# Altium PCB Pin28_PCB.PcbDoc (part 2 of 2)
Units mm, origin at the board's own origin, x right, y up, seen from the top; angles counter-clockwise.
Board outline 68.58 x 53.34 mm, 2 copper layers (L1, L2), stack 1.671 mm thick; 101 components, 68 nets, 313 pads, 75 vias.
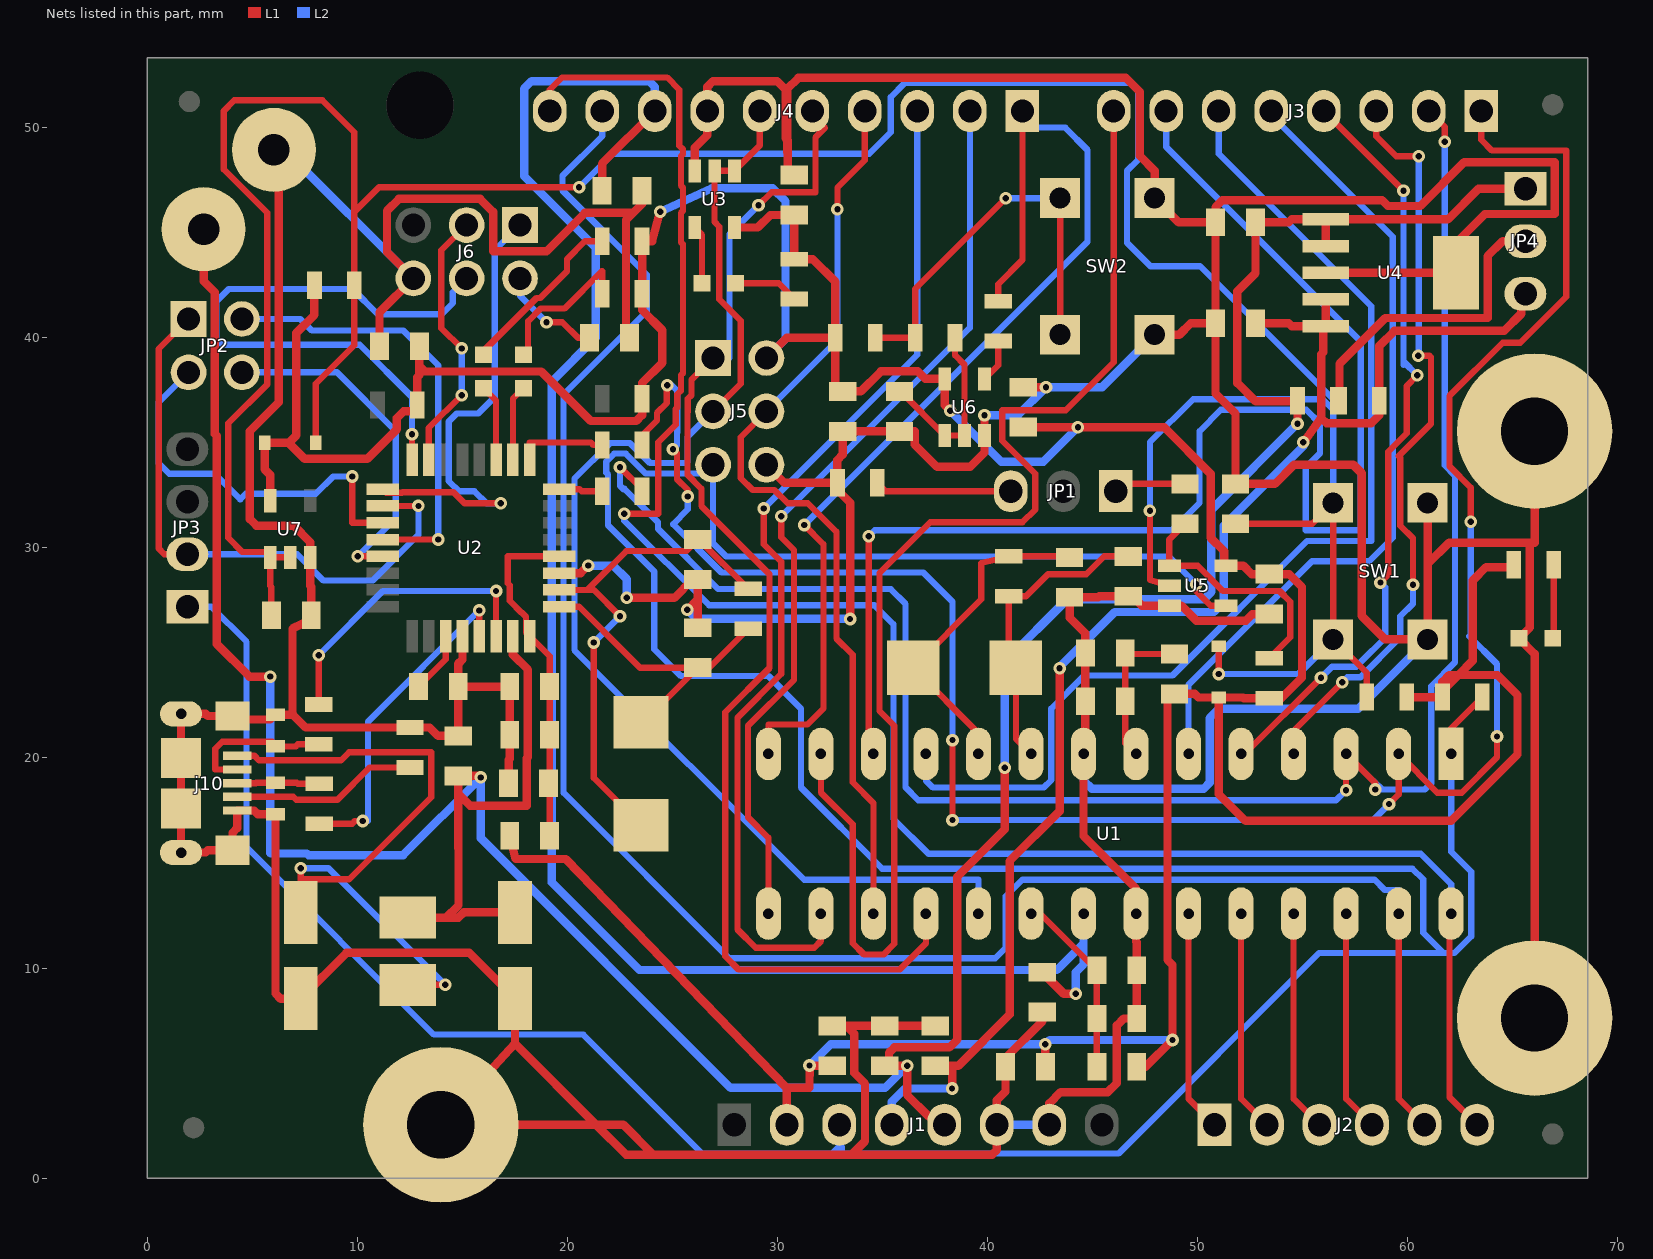
[diagram p2: the nets of this part, all layers, seen from the top]

## Via types
v1: diameter 0.6, hole 0.3, L1 to L2, 72 vias
v2: diameter 0.6, hole 0.3, L1 to L2, tented both sides, 3 vias

## Nets (pads, with @x,y where several pads share a name; then routed paths per layer and width w, separated by ;. In a path a pad name is that pad's centre, name@x,y a point inside that pad or via, vN(x,y) a via of type N, cw(c..) or ccw(c..) an arc to the next point about the centre after c; other vN are vias at no path point) (continued)
"328P AUTORESETn": C11.2 R1.1 U5.1 | length 11.9
  L1 w0.3: C11.2@49.4,31.15 48.65,30.4 U5.1@48.65,29.15 50.001,29.15 51.201,27.95 53.895,27.95 54.4,27.445 54.4,25.75 R1.1@53.4,24.75
"328P BUF RESETn": C10.2 C31.2 D1.2 D6.2 R3.2 R19.2 SW1.3 SW1.4 U5.2 U7.1 U7.2 | length 156.9
  L1 w0.3: C31.2@5.9,26.8 5.9,28.143 5.85,28.193 U7.1@5.85,29.55 ; U7.2@6.8,29.55 U7.1@5.85,29.55 ; D6.2@8.019,35 8.019,37.821 9.85,39.651 R19.2@9.85,42.5 9.85,45.994 ; v1(20.551,47.17) 11.026,47.17 9.85,45.994 ; v1(47.727,31.775) 47.727,28.479 U5.2@48.65,28.2 ; v1(51,24) D1.2@51,25.319 ; C10.2@51.8,31.15 55.45,31.15 SW1.3@56.45,32.15 SW1.4@56.45,25.65 58.05,24.05 R3.2@58.05,22.9 ; U7.1@5.85,29.55 5.85,29.808 4.522,29.808 3.85,30.48 3.85,35.93 5.7,37.78 5.7,45.952 3.632,48.019 3.632,50.8 4.14,51.308 8.331,51.308 9.85,49.789 9.85,45.994
  L2 w0.3: v1(20.551,47.17) 22.149,48.768 34.366,48.768 35.382,49.784 35.382,51.464 36.068,52.15 46.834,52.15 47.168,51.816 47.168,48.489 46.634,47.955 46.634,44.526 47.752,43.409 50.114,43.409 56.45,37.073 56.45,36.576 ; v1(47.727,31.775) 47.727,35.027 49.784,37.084 55.942,37.084 56.45,36.576 ; v1(51,24) 54.8,24 SW1.4@56.45,25.65 ; SW1.3@56.45,32.15 56.45,36.576
"328P RESETn": J1.3 J5.5 JP3.1 R13.1 U1.1 U5.4 | length 189.2
  L1 w0.3: v1(49.936,28.27) 49.936,27.94 50.626,27.25 U5.4@51.35,27.25 ; U1.1@62.065,20.193 62.065,21.415 R13.1@63.55,22.9
  L2 w0.3: JP3.1@1.9,27.2 3.048,27.2 4.721,25.527 4.721,15.751 13.64,6.833 20.752,6.833 26.416,1.168 32.584,1.168 32.94,1.524 J1.3@32.94,2.54 33.092,1.168 46.228,1.168 55.779,10.719 61.696,10.719 ; v1(49.936,28.27) 48.616,29.591 27.55,29.591 26.93,30.211 J5.5@26.93,33.96 26.511,33.541 23.72,33.541 22.769,34.491 22.231,34.491 21.85,34.111 21.85,33.572 21.925,33.497 21.925,31.085 24.13,28.88 24.13,25.171 25.4,23.901 29.566,23.901 31.115,22.352 31.115,18.593 34.976,14.732 60.223,14.732 60.731,14.224 60.731,11.684 61.696,10.719 ; U1.1@62.065,20.193 62.065,15.532 63.017,14.58 63.017,11.506 62.23,10.719 61.696,10.719
+3V3: C18.2 C25.2 J1.4 JP4.3 R15.2 U4.4 U4.5 | length 71.1
  L1 w0.4: C18.2@37.5,5.35 38.307,5.35 ; v1(38.307,4.267) 38.307,5.35 ; v1(43.425,24.275) 43.425,17.466 41.046,15.088 41.046,7.788 38.608,5.35 38.307,5.35 ; C25.2@52.75,40.7 54.331,40.7 54.471,40.56 U4.5@55.982,40.56 ; v1(55.032,35.027) 55.88,36.195 ; U4.4@56.1,41.83 U4.5@56.1,40.56 U4.5@55.982,40.56 ; JP4.3@65.6,42.1 65.405,42.1 65.405,41.148 64.592,40.335 59.361,40.335 58.65,39.624 R15.2@58.65,37 58.65,36.322 58.269,35.941 56.134,35.941 55.88,36.195 ; 55.88,36.195 55.88,39.218 55.982,39.319 U4.5@55.982,40.56
  L2 w0.4: J1.4@35.44,2.54 35.44,3.639 36.068,4.267 v1(38.307,4.267) ; v1(43.425,24.275) 43.425,24.324 46.05,26.949 50.775,26.949 51.248,27.422 51.248,31.064 55.032,34.849 v1(55.032,35.027)
+5/3V3: JP4.2 R14.2 R15.1 | length 14.9
  L1 w0.4: R14.2@56.65,37 R15.1@56.75,37 56.75,38.767 58.928,40.945 63.805,40.945 63.805,43.889 64.516,44.6 JP4.2@65.6,44.6
+5V: C3.1 C15.2 C16.2 C24.2 J1.5 J27.1 JP4.1 L1.1 R14.1 U2.31 U4.1 U4.2 | length 173
  L1 w0.4: J27.1@2.675,45.175 2.675,42.699 3.21,42.164 3.21,35.423 3.3,35.333 3.3,25.427 4.852,23.875 v1(5.85,23.875) ; L1.1@12.4,12.4 14.224,12.4 ; v1(15.875,19.075) 15.8,19.15 C15.2@14.8,19.15 14.8,18.288 ; U2.31@17.4,25.8 17.4,24.916 18.11,24.206 18.11,20.041 18.059,19.99 18.059,17.729 15.359,17.729 14.8,18.288 ; C3.1@17.5,12.65 15.058,12.65 14.808,12.4 14.224,12.4 ; C16.2@35.1,5.35 C16.2@35.306,5.35 ; J1.5@37.94,2.54 37.94,2.946 37.186,2.946 36.17,3.962 v1(36.17,5.35) C16.2@35.306,5.35 ; v1(40.818,19.533) 40.818,16.612 38.557,14.351 38.557,6.604 38.176,6.223 35.56,6.223 35.306,5.969 C16.2@35.306,5.35 ; v1(54.75,35.916) R14.1@54.75,36.982 ; R14.1@54.75,37 R14.1@54.75,36.982 ; U4.2@56.1,44.37 U4.1@56.1,45.64 ; JP4.1@65.6,47.1 63.367,47.1 61.907,45.64 U4.1@56.1,45.64 ; 14.224,12.4 14.808,12.984 14.8,18.288 ; R14.1@54.75,36.982 52.756,36.982 51.892,37.846 51.892,42.221 52.75,43.078 C24.2@52.75,45.5 54.331,45.5 54.471,45.64 U4.1@56.1,45.64
  L2 w0.4: v1(5.85,23.875) 5.85,15.475 5.873,15.452 7.59,15.452 7.667,15.375 12.175,15.375 v1(15.875,19.075) 15.875,16.18 27.762,4.293 35.112,4.293 v1(36.17,5.35) ; v1(40.818,19.533) 40.818,24.587 43.79,27.559 50.292,27.559 50.648,27.915 50.648,31.813 v1(54.75,35.916)
+5V/3V3: C8.2 C17.2 C19.2 C20.2 C29.2 C30.2 C33.2 D1.1 D6.1 FB1.1 FB2.1 FB3.1 J1.2 J5.2 R1.2 R2.2 R3.1 R5.2 R6.2 R7.1 R12.2 R13.2 R19.1 R20.2 R21.1 U3.5 U5.5 U6.5 U7.5 | length 220.9
  L1 w0.4: U7.5@5.85,32.246 5.85,33.477 5.581,33.746 D6.1@5.581,35 6.731,35 ; R19.1@7.95,42.5 7.95,41.097 7.087,40.234 7.087,35.356 6.731,35 ; C30.2@12.95,39.6 12.95,38.658 ; FB1.1@17.25,16.3 17.526,15.189 19.914,15.189 30.44,4.294 ; v1(24.409,45.999) 24.026,44.6 R5.2@23.55,44.6 R6.2@23.55,42.1 23.55,41.326 24.511,40.365 24.511,38.811 23.55,37.85 R7.1@23.55,37.1 23.55,36.322 23.271,36.043 21.107,36.043 18.75,38.4 13.208,38.4 12.95,38.658 ; U3.5@27.95,45.254 29.058,45.254 29.654,45.85 C20.2@30.8,45.85 R12.2@30.8,43.75 31.672,43.75 32.75,42.672 R21.1@32.75,40 ; J5.2@29.47,39.04 30.43,40 R21.1@32.75,40 ; J1.2@30.44,2.54 30.44,4.294 ; v1(31.521,5.359) v1@31.531,5.35 ; C17.2@32.6,5.35 v1@31.531,5.35 ; v1(38.227,36.525) 37.95,36.802 U6.5@37.95,38.046 37.036,38.046 36.678,38.405 34.915,38.405 33.96,37.45 C33.2@33.1,37.45 32.75,37.45 R21.1@32.75,40 ; C29.2@41.7,35.75 v1(44.298,35.75) 48.4,35.75 50.622,33.528 50.622,30.48 51.257,29.845 51.257,29.15 U5.5@51.346,29.15 52.172,29.15 52.572,28.75 C8.2@53.4,28.75 54.356,28.75 54.966,28.14 54.966,23.825 53.99,22.85 R1.2@53.4,22.85 52.202,22.85 52.172,22.881 D1.1@51,22.881 ; v1(42.748,6.375) 42.75,6.374 C19.2@42.75,5.3 ; FB3.1@47.1,5.3 47.525,5.3 v1(48.8,6.575) 48.8,10.153 48.565,10.389 48.565,23.05 FB2.1@48.9,23.05 49.86,23.05 50.029,22.881 D1.1@51,22.881 ; R3.1@59.95,22.9 R13.2@61.65,22.9 R13.2@61.65,23.19 ; R2.2@65.05,29.2 65.05,29.083 63.729,29.083 63.094,28.448 63.094,24.634 62.412,23.952 ; 6.731,35 7.492,34.239 10.465,34.239 11.876,35.65 11.876,36.184 12.192,36.5 12.85,36.5 R20.2@12.85,36.8 12.85,38.125 12.95,38.225 12.95,38.658 ; 30.44,4.294 31.521,4.294 v1@31.531,5.35 ; D1.1@51,22.881 51,18.288 52.284,17.004 62.063,17.004 65.225,20.165 65.225,22.999 64.272,23.952 62.412,23.952 ; R13.2@61.65,23.19 61.65,23.626 61.976,23.952 62.412,23.952 ; R13.2@61.65,23.19 62.412,23.952
  L2 w0.4: v1(24.409,45.999) 26.873,47.117 29.769,47.117 30.378,46.507 30.378,39.948 J5.2@29.47,39.04 ; v1(31.521,5.359) 32.537,6.375 v1(42.748,6.375) 42.948,6.575 v1(48.8,6.575) ; v1(38.227,36.525) 40.64,34.112 42.66,34.112 v1(44.298,35.75)
+AREF: C21.2 C28.2 J4.8 U1.21 | length 86.1
  L1 w0.4: C21.2@21.65,47 21.65,48.294 J4.8@24.156,50.8 ; C28.2@42.6,9.8 43.625,8.775 v1(44.2,8.775)
  L2 w0.4: J4.8@24.156,50.8 24.156,51.942 23.876,52.222 18.288,52.222 17.932,51.867 17.932,47.701 21.336,44.298 21.336,40.005 19.253,37.922 19.253,14.072 23.419,9.906 43.295,9.906 44.565,11.176 ; v1(44.2,8.775) 44.2,9.804 44.565,10.169 44.565,11.176 ; U1.21@44.565,12.593 44.565,11.176
"CON USB N": j10.2 R9.1 Z2.2 | length 7.4
  L1 w0.3: j10.2@4.275,19.45 3.226,19.45 3.226,20.447 3.556,20.777 5.944,20.777 5.944,20.55 Z2.2@6.1,20.55 7.061,20.55 7.161,20.65 R9.1@8.15,20.65
"CON USB P": j10.3 R11.1 Z1.2 | length 3.9
  L1 w0.3: j10.3@4.275,18.8 5.156,18.8 5.181,18.825 Z1.2@6.1,18.825 7.112,18.825 7.162,18.775 R11.1@8.175,18.775
GND: C1.1 C2.1 C3.2 C4.2 C5.1 C6.1 C7.1 C8.1 C9.1 C10.1 C12.1 C13.1 C14.1 C15.1 C16.1 C17.1 C18.1 C19.1 C20.1 C21.1 C22.1 C23.1 C24.1 C25.1 C26.1 C27.1 C28.1 C29.1 C30.1 C31.1 C32.1 C33.1 D2.1 J1.6 J1.7 J4.7 J5.6 J6.6 j10.5 j10.6 j10.7 j10.8 j10.9 j10.10 j10.11 J29.1 MH1.1 MH2.1 MH3.1 R8.1 R10.2 SW1.1 SW1.2 SW2.1 SW2.2 U1.8 U1.22 U2.3 U2.28 U3.3 U4.3 U4.6 U5.3 U6.3 U7.3 Z1.1 Z2.1 | length 459.4
  L1 w0.4: J29.1@6.025,48.95 6.25,48.725 6.25,36.933 4.877,35.56 4.877,31.369 5.188,31.058 6.966,31.058 7.75,30.274 U7.3@7.75,29.55 7.75,28.193 7.8,28.143 C31.1@7.8,26.8 7.8,26.594 6.909,26.162 6.909,22.05 ; Z1.1@6.1,17.325 Z1.1@6.096,17.325 ; C30.1@11.05,39.6 11.05,41.22 J6.6@12.66,42.83 11.405,44.085 11.405,46.05 11.974,46.62 15.839,46.62 16.459,45.999 16.459,44.12 18.999,44.12 20.828,45.949 23.118,45.949 ; U2.28@15,25.8 15,24.686 14.8,24.486 C5.1@14.8,23.4 ; C12.1@17.2,18.8 17.2,19.914 17.25,19.964 C13.1@17.25,21.1 C14.1@17.25,23.4 C5.1@14.8,23.4 ; U2.3@19.6,28.8 20.621,28.8 v1(20.98,29.159) ; v1(22.825,27.625) 25.084,27.625 25.959,28.5 C1.1@26.2,28.5 26.2,27.546 ; C9.1@22.936,39.6 22.936,39.878 22.784,40.03 22.784,45.614 23.118,45.949 ; C21.1@23.55,47 23.55,46.38 23.118,45.949 ; v1(25.705,27.051) 26.2,27.546 ; U3.3@26.05,47.95 26.05,49.047 26.656,49.653 J4.7@26.656,50.8 26.656,51.954 26.924,52.222 29.972,52.222 30.378,51.816 30.378,49.505 30.455,49.428 ; C2.1@26.2,26.2 26.2,27.546 ; J5.6@29.47,33.96 30.33,33.1 R8.1@32.85,33.1 ; C20.1@30.8,47.75 30.48,47.75 30.48,48.819 ; C17.1@32.6,7.25 33.274,7.25 ; v1(33.452,26.619) 33.452,32.156 32.85,32.758 R8.1@32.85,33.1 ; C18.1@37.5,7.25 C16.1@35.1,7.25 33.274,7.25 ; v1(39.853,36.322) 39.85,36.319 U6.3@39.85,35.35 39.85,34.544 39.164,33.858 37.592,33.858 36.525,34.925 36.525,35.55 C32.1@35.8,35.55 C33.1@33.1,35.55 33.1,34.438 32.85,34.188 R8.1@32.85,33.1 ; C29.1@41.7,37.65 v1(42.777,37.65) ; C28.1@42.6,7.9 42.6,7.465 40.85,5.715 C19.1@40.85,5.3 40.85,4.118 40.44,3.708 J1.6@40.44,2.54 40.44,1.346 40.211,1.118 33.528,1.118 ; J1.7@42.94,2.54 42.94,3.556 43.473,4.089 45.72,4.089 46.152,4.521 46.152,7.27 46.482,7.6 C26.1@47.1,7.6 C27.1@47.1,9.9 47.1,11.227 47.065,11.262 47.065,13.785 44.565,16.285 U1.8@44.565,20.193 44.65,20.278 C23.1@44.65,22.7 C22.1@44.65,25 44.65,25.933 43.9,26.683 C6.1@43.9,27.65 45.263,27.65 45.313,27.7 C7.1@46.7,27.7 46.888,27.7 47.338,27.25 U5.3@48.65,27.25 49.226,27.25 49.933,26.543 52.299,26.543 52.606,26.85 C8.1@53.4,26.85 ; SW2.2@47.95,40.15 49.124,40.15 49.674,40.7 C25.1@50.85,40.7 ; U4.3@56.1,43.1 U4.6@62.3,43.1 62.3,44.526 63.672,45.898 67,45.898 67,48.362 62.685,48.362 60.602,46.279 59.055,46.279 58.776,46.558 51.18,46.558 50.85,46.228 C24.1@50.85,45.5 ; SW1.1@60.95,32.15 60.95,29.225 ; MH2.1@66.04,7.62 66.04,24.96 D2.1@65.3,25.7 65.811,26.211 65.811,30.251 ; MH3.1@66.04,35.56 66.04,30.251 65.811,30.251 ; Z1.1@6.096,17.325 6.096,8.788 6.35,8.534 7.3,8.534 C4.2@7.3,8.55 9.469,10.719 15.331,10.719 C3.2@17.5,8.55 17.5,6.401 ; Z1.1@6.096,17.325 5.255,17.325 5.08,17.5 j10.5@4.275,17.5 4.275,16.659 4.05,16.434 j10.7@4.05,15.6 2.869,15.6 2.769,15.5 j10.9@1.6,15.5 j10.11@1.6,17.6 j10.10@1.6,20 j10.8@1.6,22.1 2.769,22.1 2.869,22 j10.6@4.05,22 4.05,21.834 5.85,21.834 5.85,22.05 Z2.1@6.1,22.05 6.909,22.05 ; 6.909,22.05 6.934,22.05 7.534,21.45 R10.2@12.5,21.45 13.437,21.45 13.837,21.05 C15.1@14.8,21.05 C5.1@14.8,23.4 ; 17.5,6.401 MH1.1@13.97,2.54 21.361,2.54 ; 17.5,6.401 21.361,2.54 ; 21.361,2.54 22.657,2.54 24.079,1.118 ; 21.361,2.54 22.783,1.118 24.079,1.118 ; 24.079,1.118 33.528,1.118 ; 30.455,49.428 30.455,48.844 30.48,48.819 ; 30.455,49.428 30.455,51.841 30.988,52.375 46.584,52.375 47.244,51.714 47.244,48.661 47.95,47.955 SW2.1@47.95,46.65 49.1,45.5 C24.1@50.85,45.5 ; 30.455,49.428 30.48,49.403 30.48,48.819 ; 33.274,7.25 33.655,6.869 33.655,5.004 34.163,4.496 34.163,1.753 33.528,1.118 ; C25.1@50.85,40.7 C24.1@50.85,45.5 ; C25.1@50.85,40.7 50.85,37.348 51.8,36.398 C10.1@51.8,33.05 53.675,33.05 54.585,33.96 57.404,33.96 57.81,33.553 57.81,26.768 58.928,25.65 SW1.2@60.95,25.65 60.95,29.225 ; 60.95,29.225 61.976,30.251 65.811,30.251
  L2 w0.4: J29.1@6.025,48.95 6.54,48.95 J6.6@12.66,42.83 ; v1(20.98,29.159) 22.174,29.159 22.825,28.508 v1(22.825,27.625) ; v1(25.705,27.051) 26.137,26.619 v1(33.452,26.619) ; v1(39.853,36.322) 41.449,36.322 v1(42.777,37.65) 45.45,37.65 SW2.2@47.95,40.15 ; J1.6@40.44,2.54 J1.7@42.94,2.54 ; U1.8@44.565,20.193 44.565,18.936 44.958,18.543 50.292,18.543 50.571,18.822 50.571,21.895 51.029,22.352 57.652,22.352 SW1.2@60.95,25.65
IO8: J4.1 R22.2 U1.14 | length 50.7
  L1 w0.3: U1.14@29.565,20.193 29.565,21.59 31.42,21.59 32.182,22.352 32.182,30.175 v1(31.267,31.09) ; R22.2@40.5,41.75 40.5,42.55 41.656,43.706 J4.1@41.656,50.8
  L2 w0.3: v1(31.267,31.09) 44.755,44.577 44.755,48.946 43.688,50.013 41.656,50.013 J4.1@41.656,50.8
NetC1_2: C1.2 R4.2 U2.2 Y1.2 | length 24.4
  L1 w0.3: U2.2@19.6,28 20.95,28 ; v2(21.25,25.5) 21.25,19.05 Y1.2@23.5,16.8 ; v2(22.5,26.75) 21.25,28 20.95,28 ; R4.2@28.6,28.05 26.25,30.4 C1.2@26.2,30.4 25.65,29.85 22.8,29.85 20.95,28
  L2 w0.3: v2(21.25,25.5) v2(22.5,26.75)
NetC2_2: C2.2 R4.1 U2.1 Y1.1 | length 14.7
  L1 w0.3: U2.1@19.6,27.2 20.55,27.2 22.8,24.95 23.45,24.3 C2.2@26.2,24.3 ; Y1.1@23.5,21.7 23.6,21.7 C2.2@26.2,24.3 ; R4.1@28.6,26.15 26.75,24.3 C2.2@26.2,24.3
NetC4_1: C4.1 j10.1 L1.2 | length 32.5
  L1 w0.3: j10.1@4.275,20.1 5.097,20.1 5.309,19.888 9.22,19.888 9.601,20.269 13.513,20.269 13.513,18.136 9.601,14.224 7.3,14.224 ; C4.1@7.3,12.65 7.3,14.224 ; v1(7.3,14.752) 7.3,14.224 ; L1.2@12.4,9.2 v1(14.173,9.2)
  L2 w0.3: v1(7.3,14.752) 8.621,14.752 v1(14.173,9.2)
NetC5_2: C5.2 U2.27 | length 2.9
  L1 w0.3: C5.2@12.9,23.4 14.2,24.7 U2.27@14.2,25.8
NetC6_2: C6.2 R16.2 U1.10 Y2.2 | length 16
  L1 w0.3: U1.10@39.565,20.193 39.565,21.185 Y2.2@36.45,24.3 39.7,27.55 39.7,29.275 R16.2@41,29.6 43.85,29.6 C6.2@43.9,29.55
NetC7_2: C7.2 R16.1 U1.9 Y2.1 | length 14.4
  L1 w0.3: U1.9@42.065,20.193 41.35,20.908 Y2.1@41.35,24.3 41,24.65 R16.1@41,27.7 41.825,27.7 42.875,28.75 44.695,28.75 45.545,29.6 C7.2@46.7,29.6
NetC11_1: C11.1 JP1.1 | length 3.4
  L1 w0.3: JP1.1@46.1,32.7 46.45,33.05 C11.1@49.4,33.05
NetC12_2: C12.2 C13.2 C14.2 FB1.2 U2.4 U2.32 | length 16.6
  L1 w0.3: FB1.2@19.15,16.3 19.15,18.75 C12.2@19.1,18.8 19.15,18.85 C13.2@19.15,21.1 C14.2@19.15,23.4 19.15,24.85 U2.32@18.2,25.8 18.025,25.975 18.025,26.72 17.82,26.925 17.806,26.925 17.25,27.481 17.25,28.219 17.15,28.319 17.15,29.6 U2.4@19.6,29.6
NetC22_2: C22.2 C23.2 FB2.2 U1.7 | length 7.4
  L1 w0.3: U1.7@47.065,20.193 46.55,20.708 C23.2@46.55,22.7 C22.2@46.55,25 46.6,24.95 FB2.2@48.9,24.95
NetC26_2: C26.2 C27.2 FB3.2 U1.20 | length 8.9
  L1 w0.3: U1.20@42.065,12.593 42.507,12.593 C27.2@45.2,9.9 C26.2@45.2,7.6 FB3.2@45.2,5.3
NetD2_2: D2.2 R2.1 | length 3.5
  L1 w0.3: D2.2@66.9,25.7 66.95,25.75 R2.1@66.95,29.2
NetD3_1: D3.1 U2.11 | length 3.6
  L1 w0.3: D3.1@16,37.6 16.6,37 U2.11@16.6,34.2
NetD3_2: D3.2 R5.1 | length 8.3
  L1 w0.3: D3.2@16,39.2 16,39.376 18.524,41.9 18.7,41.9 19.975,43.175 19.975,43.749 20.828,44.602 21.65,44.602 R5.1@21.65,44.6
NetD4_1: D4.1 U2.10 | length 3.6
  L1 w0.3: U2.10@17.4,34.2 17.4,37.1 D4.1@17.9,37.6
NetD4_2: D4.2 R6.1 | length 7.3
  L1 w0.3: D4.2@17.9,39.2 18.123,39.423 18.123,40.793 18.731,41.4 19.861,41.4 21.632,43.171 21.65,43.171 R6.1@21.65,42.1
NetD5_1: D5.1 U3.4 | length 2.8
  L1 w0.3: U3.4@26.05,45.25 26.4,44.9 D5.1@26.4,42.6
NetD5_2: D5.2 R12.1 | length 3.1
  L1 w0.3: D5.2@28,42.6 30.05,42.6 R12.1@30.8,41.85
NetJ2_1: J2.1 U1.23 | length 10.6
  L1 w0.3: U1.23@49.565,12.593 49.565,3.775 J2.1@50.8,2.54
NetJ2_2: J2.2 U1.24 | length 10.6
  L1 w0.3: U1.24@52.065,12.593 52.065,3.775 J2.2@53.3,2.54
NetJ2_3: J2.3 U1.25 | length 10.6
  L1 w0.3: U1.25@54.565,12.593 54.565,3.775 J2.3@55.8,2.54
NetJ2_4: J2.4 U1.26 | length 10.6
  L1 w0.3: U1.26@57.065,12.593 57.065,3.775 J2.4@58.3,2.54
NetJ2_5: J2.5 J4.9 U1.27 | length 94.4
  L1 w0.3: U1.27@59.565,12.593 59.565,3.775 J2.5@60.8,2.54
  L2 w0.3: J4.9@21.656,50.8 21.656,49.606 19.761,47.711 19.761,47.015 23.774,43.002 23.774,41.274 19.812,37.312 19.812,18.339 27.686,10.465 40.361,10.465 40.869,10.973 40.869,13.411 41.656,14.199 58.42,14.199 58.903,13.716 59.565,13.716 U1.27@59.565,12.593
NetJ2_6: J2.6 J4.10 U1.28 | length 94.5
  L1 w0.3: J4.10@19.156,50.8 19.156,51.816 19.74,52.4 24.74,52.4 25.324,51.816 25.324,49.149 25.5,48.973 25.5,48.745 25.4,48.645 25.4,47.255 25.5,47.155 25.5,46.045 25.4,45.945 25.4,44.555 25.5,44.455 25.5,38.317 25.4,38.217 25.4,37.481 25.23,37.311 25.23,36.689 25.15,36.609 25.15,35.858 24.318,35.026 24.318,31.623 v1(22.708,31.623) ; U1.28@62.065,12.593 61.99,12.518 61.99,3.85 J2.6@63.3,2.54
  L2 w0.3: v1(22.708,31.623) 22.708,31.3 26.739,27.269 34.61,27.269 35.516,26.363 35.516,17.113 37.186,15.443 60.617,15.443 62.065,13.995 U1.28@62.065,12.593
NetJ3_1: J3.1 R17.2 U1.2 | length 104.3
  L1 w0.3: R17.2@23.55,34.9 23.55,35.357 24.257,36.064 24.257,36.424 24.73,36.897 24.73,37.73 v1(24.75,37.75) ; v1(25.019,34.696) 25.214,34.501 25.214,33.272 25.725,32.761 v1(25.725,32.45) ; v1(38.329,17.043) v1(38.329,20.853) ; v1(59.106,17.805) 59.565,18.265 U1.2@59.565,20.193 61.408,18.35 62.567,18.35 64.25,20.033 v1(64.25,21.025) ; v1(63,31.25) 63,32.872 61.99,33.882 61.99,37.238 64.524,39.772 65.358,39.772 67.55,41.964 67.55,48.92 64.008,48.92 63.5,49.428 J3.1@63.5,50.8
  L2 w0.3: v1(24.75,37.75) 24.962,37.75 25.23,37.482 25.23,35.507 25.209,35.486 25.209,34.886 v1(25.019,34.696) ; v1(25.725,32.45) 25.725,31.834 25.025,31.134 27.33,28.829 36.932,28.829 38.329,27.432 v1(38.329,20.853) ; v1(38.329,17.043) 58.344,17.043 v1(59.106,17.805) ; v1(63,31.25) 63,25.875 62.925,25.8 64.25,24.475 v1(64.25,21.025)
NetJ3_2: J3.2 R18.2 U1.3 | length 89.7
  L1 w0.3: v1(22.5,33.841) 23.55,32.791 R18.2@23.55,32.7 ; v1(57.065,18.466) U1.3@57.065,20.193 58.449,18.809 v1(58.449,18.5) ; J3.2@61,50.8 61.758,50.042 v1(61.758,49.333)
  L2 w0.3: v1(22.5,33.841) 22.5,32.957 22.666,32.791 22.699,32.825 24.306,31.219 24.306,30.905 27.169,28.042 35.382,28.042 36.093,27.33 36.093,18.593 36.703,17.983 56.582,17.983 v1(57.065,18.466) ; 58.4,18.875 58.775,18.5 ; v1(58.449,18.5) 58.775,18.5 ; J3.2@61,50.8 J3.2@61.175,50.625 ; v1(61.758,49.333) 61.758,33.942 62.25,33.45 62.25,24.555 61.115,23.42 61.115,18.798 ; 58.775,18.5 60.817,18.5 ; 60.817,18.5 61.115,18.798 ; 60.817,18.5 61.115,18.798
NetJ3_3: J3.3 U1.4 | length 36.3
  L1 w0.3: U1.4@54.565,20.193 54.565,21.29 v1(56.875,23.6) ; J3.3@58.5,50.8 58.5,49.6 59.45,48.65 v1(60.525,48.65) ; v1(60.25,28.25) 60.25,30.455 59.65,31.055 59.65,34.3 59.575,34.375 61.108,35.908 61.108,37.567 61.108,39.075 61.033,39.15 v1(60.5,39.15)
  L2 w0.3: v1(56.875,23.6) 57.125,23.85 57.752,23.85 59.575,25.673 59.65,25.748 59.65,26.745 60.25,27.345 v1(60.25,28.25) ; v1(60.5,39.15) 60.525,39.175 v1(60.525,48.65)
NetJ3_4: J3.4 U1.5 | length 37
  L1 w0.3: U1.5@52.065,20.193 52.238,20.193 v2(55.87,23.825) ; J3.4@56,50.8 v1(59.8,47) ; v1(58.7,28.35) 59.075,28.725 59.075,34.582 59.95,35.457 59.95,37.709 v1(60.458,38.217)
  L2 w0.3: v2(55.87,23.825) 56.395,24.35 57.332,24.35 57.545,24.35 57.75,24.555 58.925,25.73 58.925,28.125 v1(58.7,28.35) ; 59.8,38.725 59.8,38.875 ; v1(59.8,47) 59.8,38.875 ; v1(60.458,38.217) 59.8,38.875
NetJ3_5: J3.5 U1.6 | length 38.6
  L2 w0.3: U1.6@49.565,20.193 49.565,23.484 55.443,29.362 58.166,29.362 59.284,30.48 59.284,44.813 53.5,50.597 J3.5@53.5,50.8
NetJ3_6: J3.6 U1.11 | length 52.9
  L2 w0.3: U1.11@37.065,20.193 37.065,18.923 37.395,18.593 42.672,18.593 43.028,18.948 43.028,22.352 44.602,23.927 48.8,23.927 55.201,30.328 58.268,30.328 58.268,41.5 51,48.768 J3.6@51,50.8
NetJ3_7: J3.7 U1.12 | length 68.4
  L1 w0.3: v1(34.341,30.556) 34.341,21.357 U1.12@34.565,20.193
  L2 w0.3: v1(34.341,30.556) 34.62,30.836 48.768,30.836 50.089,32.156 50.089,35.56 51.105,36.576 55.169,36.576 55.822,35.923 55.822,34.511 55.143,33.833 55.143,30.836 57.76,30.836 57.76,39.827 48.5,49.087 J3.7@48.5,50.8
NetJ3_8: J3.8 U1.13 | length 62.3
  L1 w0.3: U1.13@32.065,20.193 32.065,18.354 33.579,16.84 33.579,11.176 34.112,10.643 35.052,10.643 35.56,11.151 35.56,21.539 34.849,22.25 34.849,28.804 37.262,31.217 41.656,31.217 42.266,31.826 42.266,33.528 40.691,35.103 40.691,36.551 43.713,36.551 46,38.837 J3.8@46,50.8
NetJ4_2: J4.2 U1.15 | length 43.5
  L1 w0.3: U1.15@29.565,12.593 29.565,16.206 28.592,17.178 28.592,21.531 30.785,23.724 30.785,29.897 30.175,30.506 v1(30.175,31.507)
  L2 w0.3: v1(30.175,31.507) 39.156,40.488 J4.2@39.156,50.8
NetJ4_3: J4.3 U1.16 | length 49
  L1 w0.3: v1(29.337,31.877) 29.337,30.175 30.175,29.337 30.175,24.003 28.092,21.92 28.092,11.836 28.956,10.973 31.75,10.973 32.065,11.288 U1.16@32.065,12.593
  L2 w0.3: v1(29.337,31.877) 36.656,39.196 J4.3@36.656,50.8
NetJ4_4: J4.4 J5.4 U1.17 | length 44.4
  L1 w0.3: J5.4@29.47,36.5 28.245,35.275 28.245,33.325 28.81,32.76 29.845,32.76 30.478,32.127 31.438,32.127 32.802,30.763 32.802,25.69 33.579,24.913 33.579,18.84 34.565,17.854 U1.17@34.565,12.593 ; v1(32.85,46.125) 32.85,47.15 34.156,48.456 J4.4@34.156,50.8
  L2 w0.3: J5.4@29.47,36.5 32.85,39.88 v1(32.85,46.125)
NetJ4_5: J4.5 J5.1 U1.18 | length 59.1
  L1 w0.3: J5.1@26.93,39.04 25.9,38.01 25.9,37.274 25.73,37.104 25.73,36.482 25.714,36.467 25.714,33.479 26.375,32.818 26.375,31.994 29.616,28.753 29.616,24.283 27.516,22.182 27.516,10.557 28.141,9.931 35.82,9.931 37.065,11.176 U1.18@37.065,12.593 ; v1(29.092,46.313) 29.718,46.939 31.801,46.939 31.801,49.538 32.258,49.995 31.656,50.597 J4.5@31.656,50.8
  L2 w0.3: J5.1@26.93,39.04 27.711,39.04 27.711,44.933 v1(29.092,46.313)
NetJ4_6: J4.6 J5.3 U1.19 U3.1 U3.2 | length 59.8
  L1 w0.3: J5.3@26.93,36.5 28.245,37.815 28.245,40.818 27.229,41.834 27.229,45.288 27,45.517 U3.2@27,47.95 U3.1@27.95,47.95 29.156,49.156 J4.6@29.156,50.8
  L2 w0.3: J5.3@26.93,36.5 25.709,35.279 25.709,34.093 25.657,34.041 23.927,34.041 22.976,34.991 22.024,34.991 20.329,33.296 20.329,25.137 31.267,14.199 39.565,14.199 U1.19@39.565,12.593
NetJ6_1: J6.1 U2.17 | length 23
  L1 w0.3: U2.17@11.2,32.8 11.375,32.625 12.12,32.625 12.145,32.65 14.572,32.65 15.097,32.125 v1(16.825,32.125)
  L2 w0.3: v1(16.825,32.125) 16.143,32.125 15.568,32.7 14.832,32.7 14.35,33.182 14.35,36.019 14.731,36.4 15.75,36.4 16.535,37.186 16.535,44.165 J6.1@17.74,45.37
NetJ6_3: J6.3 U2.15 | length 12.7
  L1 w0.3: U2.15@13.4,34.2 13.4,35.712 v1(14.961,37.273) ; v1(14.961,39.497) 13.995,40.462 13.995,44.165 J6.3@15.2,45.37
  L2 w0.3: v1(14.961,37.273) v1(14.961,39.497)
NetJ6_4: J6.4 U2.16 | length 28.9
  L1 w0.3: v1(12.598,35.408) 12.6,35.406 U2.16@12.6,34.2
  L2 w0.3: v1(12.598,35.408) 12.598,37.186 10.109,39.675 3.556,39.675 3.277,39.954 3.277,41.732 3.869,42.325 9.765,42.325 10.96,41.13 14.013,41.13 14.539,41.656 14.539,42.169 J6.4@15.2,42.83
Netj10_4: j10.4 R10.1 | length 8.9
  L1 w0.3: j10.4@4.275,18.15 6.945,18.15 7.087,18.009 9.05,18.009 10.592,19.55 R10.1@12.5,19.55
NetJP1_3: JP1.3 R8.2 | length 6.5
  L1 w0.3: R8.2@34.75,33.1 35.15,32.7 JP1.3@41.1,32.7
NetJP2_1: JP2.1 JP3.2 U2.18 | length 28.5
  L1 w0.3: JP3.2@1.9,29.7 0.805,29.7 0.533,29.972 0.533,39.473 JP2.1@1.96,40.9 ; U2.18@11.2,32 v1(12.903,32)
  L2 w0.3: JP3.2@1.9,29.7 7.13,29.7 8.38,28.45 10.721,28.45 12.903,30.632 v1(12.903,32)
NetJP2_2: JP2.2 U2.20 | length 21.2
  L1 w0.3: U2.20@11.2,30.4 v1(13.85,30.4)
  L2 w0.3: JP2.2@4.5,40.9 7.282,40.9 7.835,40.347 12.192,40.347 13.85,38.689 v1(13.85,30.4)
NetJP2_3: JP2.3 U2.19 | length 18.9
  L1 w0.3: v1(9.75,33.4) 9.75,31.2 U2.19@11.2,31.2
  L2 w0.3: JP2.3@1.96,38.36 0.533,36.933 0.533,34.036 1.041,33.528 3.2,33.528 4.42,32.309 4.684,32.573 8.019,32.573 8.846,33.4 v1(9.75,33.4)
NetJP2_4: JP2.4 U2.21 | length 16.4
  L1 w0.3: v1(10.008,29.6) U2.21@11.2,29.6
  L2 w0.3: JP2.4@4.5,38.36 9.026,38.36 11.826,35.56 11.826,31.418 v1(10.008,29.6)
NetR22_1: R22.1 U6.4 | length 2.1
  L1 w0.3: U6.4@39.85,38.05 40.5,38.7 R22.1@40.5,39.85
PD0/RX: R17.1 U2.9 | length 4.3
  L1 w0.3: U2.9@18.2,34.2 18.2,35.016 21.122,35.016 21.239,34.9 R17.1@21.65,34.9
PD1/TX: R18.1 U2.8 | length 2.1
  L1 w0.3: U2.8@19.6,32.8 20.574,32.8 20.674,32.7 R18.1@21.65,32.7
"USB N": R9.2 U2.30 | length 14.2
  L1 w0.3: R9.2@8.15,22.55 v1(8.15,24.889) ; U2.30@16.6,25.8 v1(16.6,27.95)
  L2 w0.3: v1(8.15,24.889) 11.211,27.95 v1(16.6,27.95)
"USB P": R11.2 U2.29 | length 15.8
  L1 w0.3: R11.2@8.175,16.875 9.75,16.875 9.875,17 v1(10.25,17) ; U2.29@15.8,25.8 v1(15.8,27.026)
  L2 w0.3: v1(10.25,17) 10.5,17 10.5,21.726 v1(15.8,27.026)
"USER BUTTON": R21.2 R23.1 SW2.3 SW2.4 | length 19.4
  L1 w0.3: R21.2@34.65,40 R23.1@36.55,40 36.55,42.331 v1(40.869,46.65) ; SW2.4@43.45,40.15 SW2.3@43.45,46.65
  L2 w0.3: v1(40.869,46.65) SW2.3@43.45,46.65
"USER BUTTON BUF": C32.2 R23.2 U6.1 U6.2 | length 8.8
  L1 w0.3: C32.2@35.8,37.45 35.85,37.45 U6.1@37.95,35.35 U6.2@38.9,35.35 38.9,38.725 38.45,39.175 R23.2@38.45,40
VCC: C9.2 J6.2 | length 5
  L1 w0.3: v1(19,40.75) 19.75,40.75 20.5,40 C9.2@21.05,40
  L2 w0.3: J6.2@17.74,42.83 17.74,42.01 v1(19,40.75)
pads on no net: FID1.1 FID2.1 FID3.1 FID4.1 J1.1 J1.8 MH4.1 U2.5 U2.6 U2.7 U2.12 U2.14 U2.22 U2.23 U2.25 U2.26

## Silkscreen, mask and mechanical layers (free items; w line width, h text height)
Top Overlay:
  text "-" at 2.25,48.75 h1.52
  text "+" at 0.5,47.25 h1.52
Bottom Overlay:
  lines w0.2: 4.75,14.5 27.75,14.5 27.75,21 4.75,21 4.75,14.5
  text "AHMED MOUSTAFA" at 27,17.25 h1.52
  text "ARDUINO UNO MOD" at 27.25,16 h1.52

## Text inside footprints (layer, text, board x,y; h text height)
J1: Top Overlay "1" at 28.194,0 h1.52 r90
J2: Top Overlay "1" at 51.054,0 h1.52 r90
J3: Top Overlay "1" at 63.246,53.34 h1.52 r270
J4: Top Overlay "1" at 41.402,53.086 h1.52 r270
JP1: Top Overlay "1" at 45.846,35.24 h1.52 r270
JP3: Top Overlay "1" at 4.44,27.454 h1.52 r180
JP4: Top Overlay "1" at 63.06,46.846 h1.52